# Altium PCB PCB.PcbDoc (part 3 of 4) (continued)
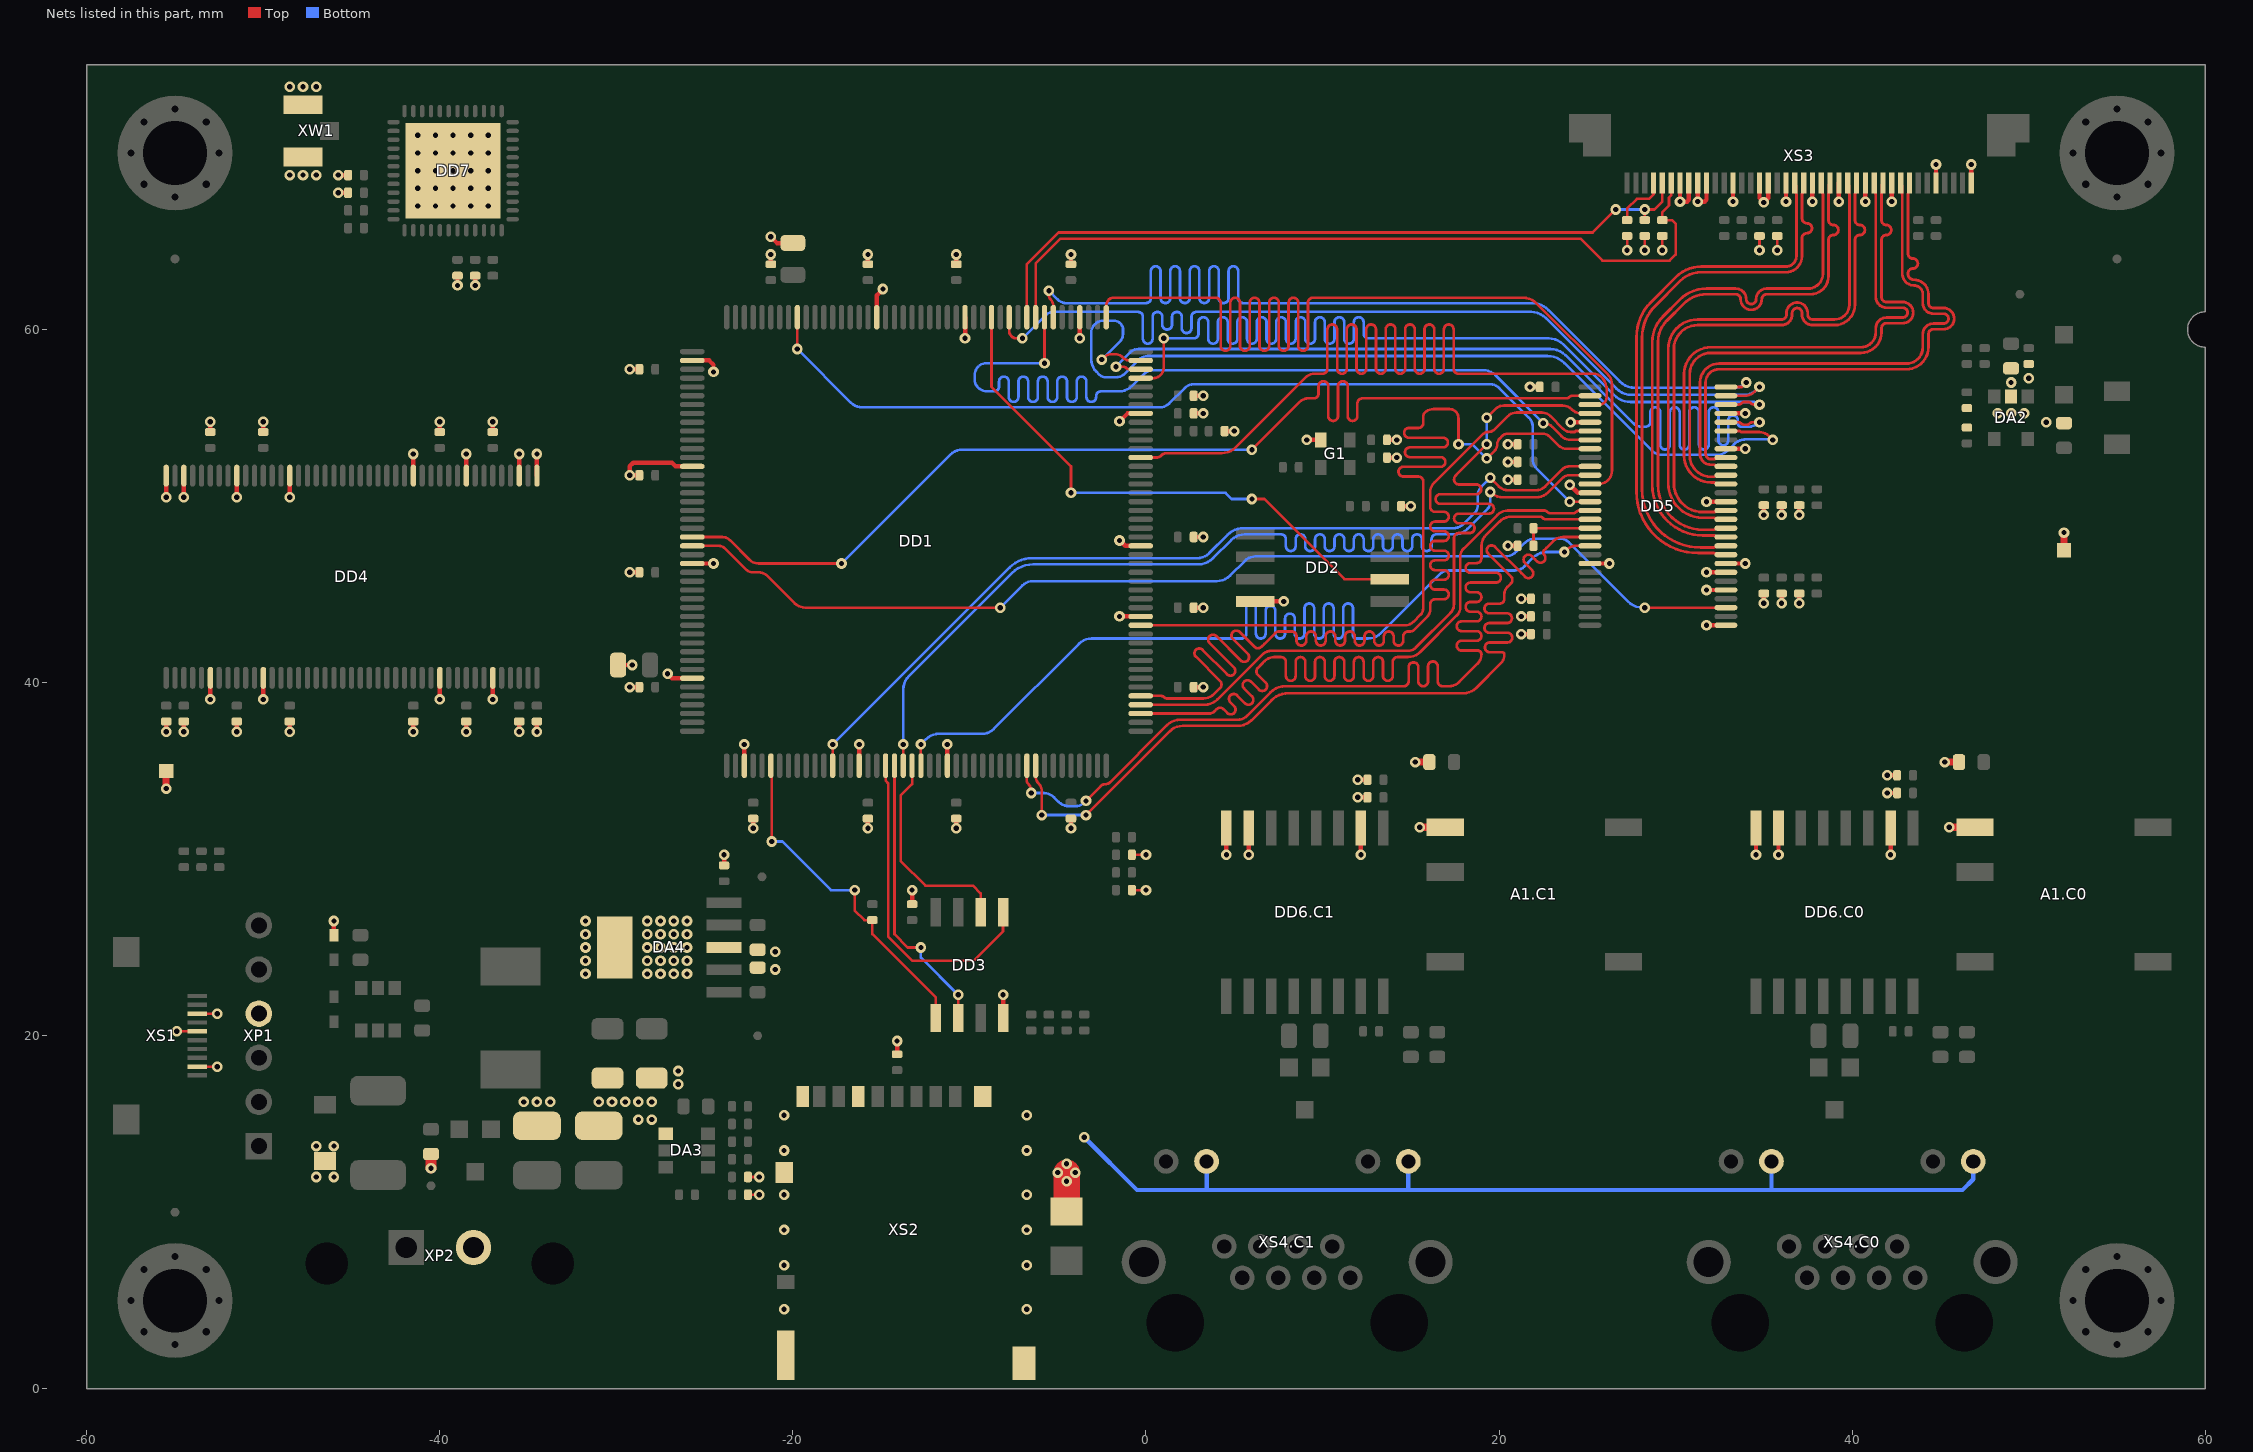
[diagram p5: the nets of this part, all layers, seen from the top]
## Nets (pads, with @x,y where several pads share a name; then routed paths per layer and width w, separated by ;. In a path a pad name is that pad's centre, name@x,y a point inside that pad or via, vN(x,y) a via of type N, cw(c..) or ccw(c..) an arc to the next point about the centre after c; other vN are vias at no path point) (continued)
LCD_DATA2_N: DD5.42 XS3.14 | length 31.9
  Top w0.16: DD5.42@32.85,49.75 32.376,49.75 ccw(c32.376,49.596) 32.267,49.705 cw(c32.158,49.814) 32.158,49.66 31.54,49.66 cw(c31.54,51.3) 29.9,51.3 29.9,58.9 cw(c31.25,58.9) 31.25,60.25 36,60.25 ccw(c36,60.85) 36.6,60.85 36.6,60.935 cw(c36.88,60.935) 37.16,60.935 37.16,60.85 ccw(c37.76,60.85) 37.76,60.25 39,60.25 ccw(c39,61.41) 40.16,61.41 40.16,64.7 40.16,65.08 cw(c40.44,65.08) 40.44,65.36 ccw(c40.44,65.64) 40.72,65.64 ccw(c40.44,65.64) 40.44,65.92 cw(c40.44,66.2) 40.16,66.2 40.16,67.672 cw(c40.194,67.672) 40.17,67.696 ccw(c40.146,67.72) 40.18,67.72 40.18,68.131 cw(c40.419,68.131) XS3.14@40.25,68.3
LCD_DATA2_P: DD5.41 XS3.15 | length 31.8
  Top w0.16: DD5.41@32.85,49.25 32.376,49.25 cw(c32.376,49.404) 32.267,49.295 ccw(c32.158,49.186) 32.158,49.34 31.54,49.34 cw(c31.54,51.3) 29.58,51.3 29.58,58.9 cw(c31.25,58.9) 31.25,60.57 36,60.57 ccw(c36,60.85) 36.28,60.85 36.28,60.935 cw(c36.88,60.935) 37.48,60.935 37.48,60.85 ccw(c37.76,60.85) 37.76,60.57 39,60.57 ccw(c39,61.41) 39.84,61.41 39.84,67.672 ccw(c39.806,67.672) 39.83,67.696 cw(c39.854,67.72) 39.82,67.72 39.82,68.131 ccw(c39.581,68.131) XS3.15@39.75,68.3
LCD_DATA3: DD1.56 DD5.55 | length 54.7
  Top w0.15: DD1.56@-7.75,60.7 -7.75,59.927 ccw(c-7.323,59.927) -7.625,59.625 ccw(c-7.323,59.927) -7.323,59.5 v1(-7,59.5) ; DD5.55@32.85,56.25 33.896,56.25 ccw(c33.896,57.104) 34.5,56.5 v1(34.75,56.75)
  Bottom w0.15: v1(-7,59.5) -5.7,60.8 cw(c-5.217,60.317) -5.217,61 -1,61 -0.725,61 -0.45,61 cw(c-0.45,60.725) -0.175,60.725 -0.175,59.477 ccw(c0.1,59.477) 0.1,59.202 ccw(c0.1,59.477) 0.375,59.477 0.375,60.725 cw(c0.65,60.725) 0.65,61 cw(c0.65,60.725) 0.925,60.725 0.925,60.277 ccw(c1.2,60.277) 1.2,60.002 ccw(c1.2,60.277) 1.475,60.277 1.475,60.725 cw(c1.75,60.725) 1.75,61 cw(c1.75,60.725) 2.025,60.725 2.025,60.077 ccw(c2.3,60.077) 2.3,59.802 ccw(c2.3,60.077) 2.575,60.077 2.575,60.725 cw(c2.85,60.725) 2.85,61 3.058,61 3.442,61 4.158,61 4.542,61 5.258,61 5.642,61 6.358,61 6.742,61 7.458,61 7.842,61 8.558,61 8.942,61 9.658,61 10.042,61 10.758,61 11.142,61 11.858,61 12.242,61 ; 12.242,61 21.805,61 cw(c21.805,59.805) 22.65,60.65 26.646,56.654 ccw(c27.5,57.507) 27.5,56.3 33.9,56.3 ccw(c33.9,57.266) 34.583,56.583 v1(34.75,56.75)
LCD_DATA3_N: DD5.38 XS3.20 | length 31.6
  Top w0.16: DD5.38@32.85,47.75 32.376,47.75 ccw(c32.376,47.596) 32.267,47.705 cw(c32.158,47.814) 32.158,47.66 31.4,47.66 cw(c31.4,50.96) 28.1,50.96 28.1,59.548 cw(c30.64,59.548) 28.844,61.344 30.25,62.75 cw(c31.457,61.543) 31.457,63.25 36.25,63.25 ccw(c36.25,64.16) 37.16,64.16 37.16,64.8 37.16,65.18 cw(c37.44,65.18) 37.44,65.46 ccw(c37.44,65.74) 37.72,65.74 ccw(c37.44,65.74) 37.44,66.02 cw(c37.44,66.3) 37.16,66.3 37.16,67.672 cw(c37.194,67.672) 37.17,67.696 ccw(c37.146,67.72) 37.18,67.72 37.18,68.131 cw(c37.419,68.131) XS3.20@37.25,68.3
LCD_DATA3_P: DD5.37 XS3.21 | length 31.5
  Top w0.16: DD5.37@32.85,47.25 32.376,47.25 cw(c32.376,47.404) 32.267,47.295 ccw(c32.158,47.186) 32.158,47.34 31.267,47.34 cw(c31.267,50.827) 27.78,50.827 27.78,59.551 cw(c30.633,59.551) 28.616,61.568 30.024,62.977 cw(c31.456,61.545) 31.456,63.57 36.25,63.57 ccw(c36.25,64.16) 36.84,64.16 36.84,67.672 ccw(c36.806,67.672) 36.83,67.696 cw(c36.854,67.72) 36.82,67.72 36.82,68.131 ccw(c36.581,68.131) XS3.21@36.75,68.3
LCD_DATA4: DD1.51 DD5.56 | length 63
  Top w0.15: v1(-5.5,62.2) -5.5,61.941 ccw(c-5.159,61.941) -5.4,61.7 cw(c-5.762,61.338) -5.25,61.338 DD1.51@-5.25,60.7 ; DD5.56@32.85,56.75 33.75,56.75 v1(34,57)
  Bottom w0.15: v1(-5.5,62.2) -5,61.7 ccw(c-4.517,62.183) -4.517,61.5 0,61.5 ccw(c0,61.775) 0.275,61.775 0.275,63.308 cw(c0.55,63.308) 0.55,63.583 cw(c0.55,63.308) 0.825,63.308 0.825,61.775 ccw(c1.1,61.775) 1.1,61.5 ccw(c1.1,61.775) 1.375,61.775 1.375,63.308 cw(c1.65,63.308) 1.65,63.583 cw(c1.65,63.308) 1.925,63.308 1.925,61.775 ccw(c2.2,61.775) 2.2,61.5 ccw(c2.2,61.775) 2.475,61.775 2.475,63.308 cw(c2.75,63.308) 2.75,63.583 cw(c2.75,63.308) 3.025,63.308 3.025,61.775 ccw(c3.3,61.775) 3.3,61.5 ccw(c3.3,61.775) 3.575,61.775 3.575,63.308 cw(c3.85,63.308) 3.85,63.583 cw(c3.85,63.308) 4.125,63.308 4.125,61.775 ccw(c4.4,61.775) 4.4,61.5 ccw(c4.4,61.775) 4.675,61.775 4.675,63.308 cw(c4.95,63.308) 4.95,63.583 cw(c4.95,63.308) 5.225,63.308 5.225,61.775 ccw(c5.5,61.775) 5.5,61.5 6.2,61.5 21.834,61.5 cw(c21.834,60.134) 22.799,61.101 ; 22.8,61.1 26.85,57.05 ccw(c27.695,57.895) 27.695,56.7 33.3,56.7 ccw(c33.3,57.666) 33.982,56.982 v1(34,57)
LCD_DATA5: DD1.110 DD5.2 | length 63.1
  Top w0.15: DD1.110@-25.7,48.25 -24,48.25 cw(c-24,47.646) -23.573,48.073 -22.461,46.961 ; -22.461,46.961 ccw(c-21.951,47.471) -21.951,46.75 v1(-17.25,46.75) ; v1(6,53.2) 8.688,55.888 ; 8.688,55.888 cw(c9.2,55.376) 9.2,56.1 9.5,56.1 ccw(c9.5,56.375) 9.775,56.375 9.775,56.8 cw(c10.05,56.8) 10.05,57.075 cw(c10.05,56.8) 10.325,56.8 10.325,56.1 10.325,55.099 ccw(c10.6,55.099) 10.6,54.824 ccw(c10.6,55.099) 10.875,55.099 10.875,56.1 10.875,56.8 cw(c11.15,56.8) 11.15,57.075 cw(c11.15,56.8) 11.425,56.8 11.425,56.1 11.425,55.099 ccw(c11.7,55.099) 11.7,54.824 ccw(c11.7,55.099) 11.975,55.099 11.975,55.825 cw(c12.25,55.825) 12.25,56.1 13,56.1 23.794,56.1 ccw(c23.794,56.356) 23.975,56.175 cw(c24.156,55.994) 24.156,56.25 DD5.2@25.15,56.25
  Bottom w0.15: v1(-17.25,46.75) -11.083,52.917 cw(c-10.4,52.234) -10.4,53.2 v1(6,53.2)
LCD_DATA6: DD1.32 DD5.3 | length 66.1
  Top w0.15: DD1.32@-0.3,52.75 0.573,52.75 ccw(c0.573,53.177) 0.875,52.875 ; 0.875,52.875 cw(c1.177,52.573) 1.177,53 4.3,53 ccw(c4.3,54.086) 5.068,53.318 ; 5.068,53.318 9.025,57.275 cw(c9.568,56.732) 9.568,57.5 10,57.5 ccw(c10,57.775) 10.275,57.775 10.275,60.012 cw(c10.55,60.012) 10.55,60.287 cw(c10.55,60.012) 10.825,60.012 10.825,57.775 ccw(c11.1,57.775) 11.1,57.5 ccw(c11.1,57.775) 11.375,57.775 11.375,60.012 cw(c11.65,60.012) 11.65,60.287 cw(c11.65,60.012) 11.925,60.012 11.925,57.775 ccw(c12.2,57.775) 12.2,57.5 ccw(c12.2,57.775) 12.475,57.775 12.475,60.012 cw(c12.75,60.012) 12.75,60.287 cw(c12.75,60.012) 13.025,60.012 13.025,57.775 ccw(c13.3,57.775) 13.3,57.5 ccw(c13.3,57.775) 13.575,57.775 13.575,60.012 cw(c13.85,60.012) 13.85,60.287 cw(c13.85,60.012) 14.125,60.012 14.125,57.775 ccw(c14.4,57.775) 14.4,57.5 ccw(c14.4,57.775) 14.675,57.775 14.675,60.012 cw(c14.95,60.012) 14.95,60.287 cw(c14.95,60.012) 15.225,60.012 15.225,57.775 ccw(c15.5,57.775) 15.5,57.5 ccw(c15.5,57.775) 15.775,57.775 15.775,60.012 cw(c16.05,60.012) 16.05,60.287 cw(c16.05,60.012) 16.325,60.012 16.325,57.775 ccw(c16.6,57.775) 16.6,57.5 ccw(c16.6,57.775) 16.875,57.775 16.875,60.012 cw(c17.15,60.012) 17.15,60.287 cw(c17.15,60.012) 17.425,60.012 17.425,57.775 ccw(c17.7,57.775) 17.7,57.5 19.25,57.5 25.34,57.5 cw(c25.34,56.85) 25.8,57.31 cw(c25.093,56.603) 26.093,56.603 26.093,56.164 cw(c25.678,56.164) 25.972,55.872 cw(c25.678,56.166) 25.678,55.75 DD5.3@25.15,55.75
LCD_DATA7: DD1.4 DD5.4 | length 48.3
  Top w0.15: DD1.4@-0.3,38.75 3.334,38.75 ccw(c3.334,39.755) 4.044,39.044 ; 4.044,39.044 6.588,41.588 ; 6.588,41.588 cw(c7.1,41.076) 7.1,41.8 14.85,41.8 ccw(c14.85,42.404) 15.277,41.977 17.25,43.95 ccw(c16.767,44.433) 17.45,44.433 17.45,47.5 17.45,47.925 17.45,48.2 cw(c17.725,48.2) 17.725,48.475 18.334,48.475 ccw(c18.334,48.75) 18.609,48.75 ccw(c18.334,48.75) 18.334,49.025 17.725,49.025 cw(c17.725,49.3) 17.45,49.3 cw(c17.725,49.3) 17.725,49.575 19.434,49.575 ccw(c19.434,49.85) 19.709,49.85 ccw(c19.434,49.85) 19.434,50.125 17.45,50.125 16.677,50.125 cw(c16.677,50.4) 16.402,50.4 cw(c16.677,50.4) 16.677,50.675 17.45,50.675 18.712,50.675 ccw(c18.712,50.95) 18.987,50.95 ccw(c18.712,50.95) 18.712,51.225 17.725,51.225 cw(c17.725,51.5) 17.45,51.5 cw(c17.812,51.5) 17.556,51.756 v1(19.3,53.5) ; v1(19.3,55) 19.8,55.5 cw(c20.283,55.017) 20.283,55.7 23.582,55.7 cw(c23.582,54.932) 24.125,55.475 ccw(c24.669,56.02) 24.669,55.25 DD5.4@25.15,55.25
  Bottom w0.15: v1(19.3,53.5) v1(19.3,55)
LCD_DATA8: DD1.5 DD5.6 | length 63.5
  Top w0.15: DD1.5@-0.3,39.25 0.844,39.25 cw(c0.844,38.994) 1.025,39.175 ; 1.025,39.175 ccw(c1.206,39.356) 1.206,39.1 3.25,39.1 ccw(c3.25,39.945) 3.847,39.347 ; 3.599,42.634 cw(c3.793,42.44) 3.988,42.634 5.367,41.256 ccw(c5.561,41.45) 5.756,41.256 ccw(c5.561,41.45) 5.756,41.645 4.922,42.478 cw(c5.116,42.673) 4.922,42.867 cw(c5.116,42.673) 5.311,42.867 6.145,42.033 ccw(c6.339,42.228) 6.533,42.033 6.7,42.2 7.294,42.794 cw(c7.55,42.538) 7.55,42.9 7.7,42.9 7.975,42.9 8.25,42.9 cw(c8.25,42.625) 8.525,42.625 8.525,42.377 ccw(c8.8,42.377) 8.8,42.102 ccw(c8.8,42.377) 9.075,42.377 9.075,42.625 cw(c9.35,42.625) 9.35,42.9 cw(c9.35,42.625) 9.625,42.625 9.625,42.377 ccw(c9.9,42.377) 9.9,42.102 ccw(c9.9,42.377) 10.175,42.377 10.175,42.625 cw(c10.45,42.625) 10.45,42.9 cw(c10.45,42.625) 10.725,42.625 10.725,42.377 ccw(c11,42.377) 11,42.102 ccw(c11,42.377) 11.275,42.377 11.275,42.625 cw(c11.55,42.625) 11.55,42.9 cw(c11.55,42.625) 11.825,42.625 11.825,42.377 ccw(c12.1,42.377) 12.1,42.102 ccw(c12.1,42.377) 12.375,42.377 12.375,42.625 cw(c12.65,42.625) 12.65,42.9 cw(c12.65,42.625) 12.925,42.625 12.925,42.377 ccw(c13.2,42.377) 13.2,42.102 ccw(c13.2,42.377) 13.475,42.377 13.475,42.625 cw(c13.75,42.625) 13.75,42.9 cw(c13.75,42.625) 14.025,42.625 14.025,42.377 ccw(c14.3,42.377) 14.3,42.102 ccw(c14.3,42.377) 14.575,42.377 14.575,42.625 cw(c14.85,42.625) 14.85,42.9 14.975,42.9 ccw(c14.975,43.202) 15.188,42.988 ; 3.599,42.634 ccw(c3.793,42.44) 3.599,42.246 4.978,40.867 cw(c4.783,40.672) 4.978,40.478 cw(c4.783,40.672) 4.589,40.478 3.21,41.857 ccw(c3.016,41.662) 2.821,41.857 ccw(c3.016,41.662) 2.821,41.468 4.2,40.089 cw(c4.006,39.894) 4.2,39.7 3.847,39.347 ; 15.188,42.988 15.906,43.706 ccw(c15.436,44.175) 16.1,44.175 16.1,44.45 cw(c16.375,44.45) 16.375,44.725 16.873,44.725 ccw(c16.873,45) 17.148,45 ccw(c16.873,45) 16.873,45.275 16.375,45.275 cw(c16.375,45.55) 16.1,45.55 cw(c16.375,45.55) 16.375,45.825 16.873,45.825 ccw(c16.873,46.1) 17.148,46.1 ccw(c16.873,46.1) 16.873,46.375 16.375,46.375 cw(c16.375,46.65) 16.1,46.65 cw(c16.375,46.65) 16.375,46.925 16.873,46.925 ccw(c16.873,47.2) 17.148,47.2 ccw(c16.873,47.2) 16.873,47.475 16.375,47.475 cw(c16.375,47.75) 16.1,47.75 cw(c16.375,47.75) 16.375,48.025 16.873,48.025 ccw(c16.873,48.3) 17.148,48.3 ccw(c16.873,48.3) 16.873,48.575 16.375,48.575 cw(c16.375,48.85) 16.1,48.85 cw(c16.375,48.85) 16.375,49.125 16.873,49.125 ccw(c16.873,49.4) 17.148,49.4 ccw(c16.873,49.4) 16.873,49.675 16.375,49.675 cw(c16.375,49.95) 16.1,49.95 16.1,50.225 16.1,50.775 cw(c16.885,50.775) 16.33,51.33 19.059,54.059 cw(c19.4,53.717) 19.4,54.2 ccw(c19.4,54.683) 19.741,54.341 20.488,55.088 ; 20.488,55.088 cw(c21,54.576) 21,55.3 22.417,55.3 cw(c22.417,54.617) 22.9,55.1 23.623,54.377 ccw(c24.05,54.804) 24.05,54.2 24.3,54.2 24.35,54.25 DD5.6@25.15,54.25
LCD_DATA9: DD1.52 DD5.7 | length 56.1
  Top w0.15: v1(-5.75,58.1) DD1.52@-5.75,60.7 ; v1(22.5,54.7) cw(c22.5,53.976) 23.012,54.488 23.538,53.962 ccw(c24.05,54.474) 24.05,53.75 DD5.7@25.15,53.75
  Bottom w0.15: v1(-5.75,58.1) -9.017,58.1 ccw(c-9.017,57.417) -9.5,57.9 ccw(c-9.017,57.417) -9.7,57.417 -9.7,57.159 ccw(c-9.076,57.159) -9.517,56.717 ccw(c-8.993,57.241) -8.993,56.5 -8.6,56.5 ccw(c-8.6,56.775) -8.325,56.775 -8.325,57.059 cw(c-8.05,57.059) -8.05,57.334 cw(c-8.05,57.059) -7.775,57.059 -7.775,56.5 -7.775,56.177 ccw(c-7.5,56.177) -7.5,55.902 ccw(c-7.5,56.177) -7.225,56.177 -7.225,56.5 -7.225,57.059 cw(c-6.95,57.059) -6.95,57.334 cw(c-6.95,57.059) -6.675,57.059 -6.675,56.5 -6.675,56.177 ccw(c-6.4,56.177) -6.4,55.902 ccw(c-6.4,56.177) -6.125,56.177 -6.125,56.5 -6.125,57.059 cw(c-5.85,57.059) -5.85,57.334 cw(c-5.85,57.059) -5.575,57.059 -5.575,56.5 -5.575,56.177 ccw(c-5.3,56.177) -5.3,55.902 ccw(c-5.3,56.177) -5.025,56.177 -5.025,56.5 -5.025,57.059 cw(c-4.75,57.059) -4.75,57.334 cw(c-4.75,57.059) -4.475,57.059 -4.475,56.5 -4.475,56.177 ccw(c-4.2,56.177) -4.2,55.902 ccw(c-4.2,56.177) -3.925,56.177 -3.925,56.5 -3.925,57.059 cw(c-3.65,57.059) -3.65,57.334 cw(c-3.65,57.059) -3.375,57.059 -3.375,56.5 -3.375,56.177 ccw(c-3.1,56.177) -3.1,55.902 ccw(c-3.1,56.177) -2.825,56.177 -2.825,56.225 cw(c-2.55,56.225) -2.55,56.5 -2.5,56.5 -1.518,56.5 ccw(c-1.518,57.51) -0.804,56.796 -0.15,57.45 cw(c0.454,56.846) 0.454,57.7 19.1,57.7 cw(c19.1,56.734) 19.782,57.418 ; 19.783,57.417 v1(22.5,54.7)
LCD_DATA10: DD1.13 DD5.8 | length 51.1
  Top w0.15: DD1.13@-0.3,43.25 14.676,43.25 ccw(c14.676,43.912) 15.144,43.444 ; 15.144,43.444 15.55,43.85 ; 15.55,43.85 ccw(c15.188,44.212) 15.7,44.212 15.7,51.4 ccw(c15.425,51.4) 15.425,51.675 14.575,51.675 cw(c14.575,51.95) 14.3,51.95 cw(c14.575,51.95) 14.575,52.225 15.7,52.225 16.683,52.225 ccw(c16.683,52.5) 16.958,52.5 ccw(c16.683,52.5) 16.683,52.775 15.7,52.775 14.944,52.775 cw(c14.944,53.05) 14.669,53.05 cw(c14.944,53.05) 14.944,53.325 15.7,53.325 16.825,53.325 ccw(c16.825,53.6) 17.1,53.6 ccw(c16.825,53.6) 16.825,53.875 15.7,53.875 14.896,53.875 cw(c14.896,54.15) 14.621,54.15 cw(c14.896,54.15) 14.896,54.425 15.425,54.425 ccw(c15.425,54.7) 15.7,54.7 15.7,55.059 cw(c16.041,55.059) 15.8,55.3 cw(c16.283,54.817) 16.283,55.5 17.188,55.5 cw(c17.188,54.988) 17.55,55.35 ; 17.55,55.35 cw(c17.188,54.988) 17.7,54.988 v1(17.7,53.5) ; v1(19.3,52.7) 19.759,53.159 ccw(c19.417,53.5) 19.9,53.5 cw(c20.383,53.5) 20.041,53.841 20.171,53.971 cw(c20.483,53.659) 20.483,54.1 22.488,54.1 cw(c22.488,53.588) 22.85,53.95 23.35,53.45 ; 23.35,53.45 ccw(c23.833,53.933) 23.833,53.25 DD5.8@25.15,53.25
  Bottom w0.15: v1(17.7,53.5) 18.5,53.5 v1(19.3,52.7)
LCD_DATA11: DD1.145 DD5.10 | length 51.5
  Top w0.15: DD1.145@-17.75,35.3 v1(-17.75,36.5) ; v1(19.5,51.6) 19.988,51.112 ccw(c20.5,51.624) 20.5,50.9 22.117,50.9 ccw(c22.117,51.583) 22.6,51.1 ; 22.6,51.1 23.573,52.073 cw(c24,51.646) 24,52.25 DD5.10@25.15,52.25
  Bottom w0.15: v1(-17.75,36.5) -7.725,46.525 cw(c-6.458,45.258) -6.458,47.05 2.9,47.05 ccw(c2.9,48.016) 3.582,47.332 4.625,48.375 cw(c5.53,47.47) 5.53,48.75 17.4,48.75 ccw(c17.4,49.595) 17.997,48.997 18.6,49.6 ccw(c18.117,50.083) 18.8,50.083 18.8,50.617 cw(c19.483,50.617) 19,51.1 v1(19.5,51.6)
LCD_DATA12: DD1.153 DD5.11 | length 60.2
  Top w0.15: DD1.153@-13.75,35.3 v1(-13.75,36.5) ; v1(19.5,50.8) v1@19.517,50.783 ; v1@19.518,50.782 ccw(c20.2,51.466) 20.2,50.5 22.117,50.5 ccw(c22.117,51.424) 22.771,50.771 23.573,51.573 cw(c24,51.146) 24,51.75 DD5.11@25.15,51.75
  Bottom w0.15: v1(-13.75,36.5) -13.75,39.6 cw(c-12.664,39.6) -13.432,40.368 -7.597,46.203 ; -7.597,46.203 cw(c-6.396,45.001) -6.396,46.7 2.955,46.7 ccw(c2.955,47.895) 3.8,47.05 4.832,48.082 cw(c5.6,47.314) 5.6,48.4 7.1,48.4 7.375,48.4 7.65,48.4 cw(c7.65,48.125) 7.925,48.125 7.925,47.727 ccw(c8.2,47.727) 8.2,47.452 ccw(c8.2,47.727) 8.475,47.727 8.475,48.125 cw(c8.75,48.125) 8.75,48.4 cw(c8.75,48.125) 9.025,48.125 9.025,47.727 ccw(c9.3,47.727) 9.3,47.452 ccw(c9.3,47.727) 9.575,47.727 9.575,48.125 cw(c9.85,48.125) 9.85,48.4 cw(c9.85,48.125) 10.125,48.125 10.125,47.727 ccw(c10.4,47.727) 10.4,47.452 ccw(c10.4,47.727) 10.675,47.727 10.675,48.125 cw(c10.95,48.125) 10.95,48.4 cw(c10.95,48.125) 11.225,48.125 11.225,47.727 ccw(c11.5,47.727) 11.5,47.452 ccw(c11.5,47.727) 11.775,47.727 11.775,48.125 cw(c12.05,48.125) 12.05,48.4 cw(c12.05,48.125) 12.325,48.125 12.325,47.727 ccw(c12.6,47.727) 12.6,47.452 ccw(c12.6,47.727) 12.875,47.727 12.875,48.125 cw(c13.15,48.125) 13.15,48.4 cw(c13.15,48.125) 13.425,48.125 13.425,47.727 ccw(c13.7,47.727) 13.7,47.452 ccw(c13.7,47.727) 13.975,47.727 13.975,48.125 cw(c14.25,48.125) 14.25,48.4 cw(c14.25,48.125) 14.525,48.125 14.525,47.727 ccw(c14.8,47.727) 14.8,47.452 ccw(c14.8,47.727) 15.075,47.727 15.075,48.125 cw(c15.35,48.125) 15.35,48.4 cw(c15.35,48.125) 15.625,48.125 15.625,47.727 ccw(c15.9,47.727) 15.9,47.452 ccw(c15.9,47.727) 16.175,47.727 16.175,48.125 cw(c16.45,48.125) 16.45,48.4 16.725,48.4 17.1,48.4 17.476,48.4 ccw(c17.476,49.424) 18.2,48.7 19.359,49.859 ; 19.359,49.859 ccw(c19.017,50.2) 19.5,50.2 v1(19.5,50.8)
LCD_DATA13: DD1.45 DD5.12 | length 65.9
  Top w0.15: DD1.45@-2.25,60.7 -2.25,61.338 cw(c-1.738,61.338) -2.1,61.7 cw(c-1.864,61.464) -1.864,61.798 3.4,61.798 3.675,61.798 3.95,61.798 cw(c3.95,61.523) 4.225,61.523 4.225,59.073 ccw(c4.5,59.073) 4.5,58.798 ccw(c4.5,59.073) 4.775,59.073 4.775,61.523 cw(c5.05,61.523) 5.05,61.798 cw(c5.05,61.523) 5.325,61.523 5.325,59.073 ccw(c5.6,59.073) 5.6,58.798 ccw(c5.6,59.073) 5.875,59.073 5.875,61.523 cw(c6.15,61.523) 6.15,61.798 cw(c6.15,61.523) 6.425,61.523 6.425,59.073 ccw(c6.7,59.073) 6.7,58.798 ccw(c6.7,59.073) 6.975,59.073 6.975,61.523 cw(c7.25,61.523) 7.25,61.798 cw(c7.25,61.523) 7.525,61.523 7.525,59.073 ccw(c7.8,59.073) 7.8,58.798 ccw(c7.8,59.073) 8.075,59.073 8.075,61.523 cw(c8.35,61.523) 8.35,61.798 cw(c8.35,61.523) 8.625,61.523 8.625,59.073 ccw(c8.9,59.073) 8.9,58.798 ccw(c8.9,59.073) 9.175,59.073 9.175,61.523 cw(c9.45,61.523) 9.45,61.798 10.6,61.798 21.382,61.798 cw(c21.382,60.782) 22.1,61.5 26.186,57.414 cw(c25.681,56.909) 26.395,56.909 26.395,52.01 cw(c25.635,52.01) 26.173,51.473 cw(c25.635,52.01) 25.635,51.25 DD5.12@25.15,51.25
LCD_DATA14: DD1.80 DD5.14 | length 52.6
  Top w0.15: v1(-19.75,58.9) DD1.80@-19.75,60.7 ; v1(24,50.25) DD5.14@25.15,50.25
  Bottom w0.15: v1(-19.75,58.9) -16.697,55.847 ccw(c-16.1,56.445) -16.1,55.6 0.8,55.6 ccw(c0.8,56.324) 1.312,55.812 ; 1.312,55.812 2.2,56.7 cw(c2.683,56.217) 2.683,56.9 19.517,56.9 cw(c19.517,56.217) 20,56.7 21.7,55 cw(c21.217,54.517) 21.9,54.517 21.9,52.7 ccw(c22.745,52.7) 22.147,52.103 v1(24,50.25)
LCD_DATA15: DD1.3 DD5.15 | length 50.5
  Top w0.15: DD1.3@-0.3,38.25 3.573,38.25 ccw(c3.573,38.677) 3.875,38.375 4,38.5 cw(c4.194,38.306) 4.389,38.5 4.606,38.283 ccw(c4.8,38.477) 4.995,38.283 ccw(c4.8,38.477) 4.995,38.672 4.778,38.889 cw(c4.972,39.083) 4.778,39.278 cw(c4.972,39.083) 5.167,39.278 5.614,38.831 ccw(c5.808,39.025) 6.003,38.831 ccw(c5.808,39.025) 6.003,39.219 5.556,39.667 cw(c5.75,39.861) 5.556,40.056 cw(c5.75,39.861) 5.945,40.056 6.392,39.608 ccw(c6.586,39.803) 6.781,39.608 ccw(c6.586,39.803) 6.781,39.997 6.333,40.445 cw(c6.528,40.639) 6.333,40.833 6.528,41.028 6.723,41.223 cw(c7.272,40.673) 7.272,41.45 7.65,41.45 cw(c7.65,41.175) 7.925,41.175 7.925,40.377 ccw(c8.2,40.377) 8.2,40.102 ccw(c8.2,40.377) 8.475,40.377 8.475,41.175 cw(c8.75,41.175) 8.75,41.45 cw(c8.75,41.175) 9.025,41.175 9.025,40.377 ccw(c9.3,40.377) 9.3,40.102 ccw(c9.3,40.377) 9.575,40.377 9.575,41.175 cw(c9.85,41.175) 9.85,41.45 cw(c9.85,41.175) 10.125,41.175 10.125,40.377 ccw(c10.4,40.377) 10.4,40.102 ccw(c10.4,40.377) 10.675,40.377 10.675,41.175 cw(c10.95,41.175) 10.95,41.45 cw(c10.95,41.175) 11.225,41.175 11.225,40.377 ccw(c11.5,40.377) 11.5,40.102 ccw(c11.5,40.377) 11.775,40.377 11.775,41.175 cw(c12.05,41.175) 12.05,41.45 cw(c12.05,41.175) 12.325,41.175 12.325,40.377 ccw(c12.6,40.377) 12.6,40.102 ccw(c12.6,40.377) 12.875,40.377 12.875,41.175 cw(c13.15,41.175) 13.15,41.45 cw(c13.15,41.175) 13.425,41.175 13.425,40.377 ccw(c13.7,40.377) 13.7,40.102 ccw(c13.7,40.377) 13.975,40.377 13.975,41.175 cw(c14.25,41.175) 14.25,41.45 14.525,41.45 14.826,41.45 ccw(c14.826,42.474) 15.55,41.75 17.6,43.8 ccw(c17.117,44.283) 17.8,44.283 17.8,47.117 cw(c18.483,47.117) 18,47.6 19.903,49.503 cw(c20.5,48.905) 20.5,49.75 22.544,49.75 cw(c22.544,49.494) 22.725,49.675 ccw(c22.906,49.856) 22.906,49.6 24.194,49.6 ccw(c24.194,49.856) 24.375,49.675 ; 24.375,49.675 cw(c24.556,49.494) 24.556,49.75 DD5.15@25.15,49.75
LCD_DATA16: DD1.167 DD5.16 | length 59.4
  Top w0.15: DD1.167@-6.75,35.3 -6.75,34.45 ccw(c-6.509,34.45) -6.68,34.28 ; -6.679,34.279 cw(c-7.112,33.846) -6.5,33.846 v1(-6.5,33.75) ; v1(-3.4,33.3) -2.556,34.144 cw(c-2.3,33.888) -2.3,34.25 ccw(c-2.3,34.612) -2.044,34.356 1.2,37.6 ; 1.201,37.601 cw(c1.924,36.876) 1.924,37.9 5.2,37.9 ccw(c5.2,38.624) 5.712,38.112 7.05,39.45 ; 7.05,39.45 cw(c7.895,38.605) 7.895,39.8 14.6,39.8 ccw(c14.6,40.075) 14.875,40.075 14.875,40.873 cw(c15.15,40.873) 15.15,41.148 cw(c15.15,40.873) 15.425,40.873 15.425,40.075 ccw(c15.7,40.075) 15.7,39.8 ccw(c15.7,40.075) 15.975,40.075 15.975,40.925 cw(c16.25,40.925) 16.25,41.2 cw(c16.25,40.925) 16.525,40.925 16.525,40.075 ccw(c16.8,40.075) 16.8,39.8 17.164,39.8 ccw(c17.164,40.611) 17.738,40.037 18.788,41.088 ccw(c18.276,41.6) 19,41.6 ccw(c18.78,41.6) 18.78,41.82 17.875,41.82 cw(c17.875,42.095) 17.6,42.095 cw(c17.875,42.095) 17.875,42.37 18.725,42.37 ccw(c18.725,42.645) 19,42.645 ccw(c18.725,42.645) 18.725,42.92 17.875,42.92 cw(c17.875,43.195) 17.6,43.195 cw(c17.875,43.195) 17.875,43.47 18.725,43.47 ccw(c18.725,43.745) 19,43.745 ccw(c18.725,43.745) 18.725,44.02 18.377,44.02 cw(c18.377,44.295) 18.102,44.295 cw(c18.377,44.295) 18.377,44.57 18.725,44.57 ccw(c18.725,44.845) 19,44.845 ccw(c18.725,44.845) 18.725,45.12 18.377,45.12 cw(c18.377,45.395) 18.102,45.395 cw(c18.377,45.395) 18.377,45.67 19,45.67 19.827,45.67 ccw(c19.827,45.945) 20.102,45.945 ccw(c19.827,45.945) 19.827,46.22 19,46.22 18.377,46.22 cw(c18.377,46.495) 18.102,46.495 cw(c18.377,46.495) 18.377,46.77 18.725,46.77 ccw(c18.725,47.045) 19,47.045 19,47.32 19,47.595 19,47.746 cw(c19.854,47.746) 19.25,48.35 20.017,49.117 cw(c20.7,48.434) 20.7,49.4 22.294,49.4 cw(c22.294,49.144) 22.475,49.325 ; 22.475,49.325 ccw(c22.656,49.506) 22.656,49.25 DD5.16@25.15,49.25
  Bottom w0.15: v1(-6.5,33.75) -5.8,33.75 cw(c-5.8,32.905) -5.203,33.503 ; -5.203,33.503 -4.947,33.247 ccw(c-4.35,33.845) -4.35,33 -4,33 ccw(c-4,33.724) -3.488,33.212 v1(-3.4,33.3)
LCD_DATA17: DD1.168 DD5.18 | length 56.3
  Top w0.15: DD1.168@-6.25,35.3 -6.25,34.697 ccw(c-5.653,34.697) -6.076,34.276 ; -6.075,34.275 cw(c-6.499,33.852) -5.9,33.852 v1(-5.9,32.5) ; v1(-3.4,32.5) 1.35,37.25 ; 1.35,37.25 cw(c2.074,36.526) 2.074,37.55 5.2,37.55 ccw(c5.2,38.636) 5.968,37.868 ; 5.968,37.868 7.1,39 cw(c8.066,38.034) 8.066,39.4 18,39.4 ccw(c18,40.366) 18.683,39.683 20.1,41.1 ccw(c19.617,41.583) 20.3,41.583 ccw(c20.158,41.583) 20.158,41.725 19.47,41.725 cw(c19.47,42) 19.195,42 cw(c19.47,42) 19.47,42.275 20.3,42.275 20.473,42.275 ccw(c20.473,42.55) 20.748,42.55 ccw(c20.473,42.55) 20.473,42.825 20.3,42.825 19.446,42.825 cw(c19.446,43.1) 19.171,43.1 cw(c19.446,43.1) 19.446,43.375 20.3,43.375 20.454,43.375 ccw(c20.454,43.65) 20.729,43.65 ccw(c20.454,43.65) 20.454,43.925 20.3,43.925 19.446,43.925 cw(c19.446,44.2) 19.171,44.2 cw(c19.446,44.2) 19.446,44.475 20.025,44.475 ccw(c20.025,44.75) 20.3,44.75 20.3,45 cw(c20.904,45) 20.477,45.427 20.675,45.625 ccw(c20.481,45.819) 20.675,46.014 19.383,47.306 cw(c19.577,47.5) 19.383,47.695 cw(c19.577,47.5) 19.772,47.695 21.258,46.208 21.467,46 ccw(c21.661,46.194) 21.856,46 ccw(c21.661,46.194) 21.856,46.389 21.647,46.597 21.465,46.78 cw(c21.659,46.974) 21.465,47.168 cw(c21.659,46.974) 21.854,47.168 22.036,46.986 22.154,46.869 ccw(c22.348,47.063) 22.543,46.869 ccw(c22.348,47.063) 22.543,47.258 cw(c22.66,47.375) 22.543,47.493 22.675,47.625 23.075,48.025 cw(c23.618,47.482) 23.618,48.25 DD5.18@25.15,48.25
  Bottom w0.15: v1(-5.9,32.5) v1(-3.4,32.5)
LCD_DATA18: DD1.155 DD5.19 | length 63.1
  Top w0.15: DD1.155@-12.75,35.25 v1(-12.75,36.5) ; v1(23.7,47.4) v1@23.838,47.538 ; v1@23.838,47.538 cw(c24.35,47.026) 24.35,47.75 DD5.19@25.15,47.75
  Bottom w0.15: v1(-12.75,36.5) -12.45,36.8 cw(c-11.726,36.076) -11.726,37.1 -9.288,37.1 ccw(c-9.288,38.036) -8.626,37.374 ; -8.626,37.374 -3.8,42.2 cw(c-3.076,41.476) -3.076,42.5 4.3,42.5 4.575,42.5 5.125,42.5 5.4,42.5 ccw(c5.4,42.775) 5.675,42.775 5.675,44.208 cw(c5.95,44.208) 5.95,44.483 cw(c5.95,44.208) 6.225,44.208 6.225,42.775 ccw(c6.5,42.775) 6.5,42.5 ccw(c6.5,42.775) 6.775,42.775 6.775,44.073 cw(c7.05,44.073) 7.05,44.348 cw(c7.05,44.073) 7.325,44.073 7.325,42.775 ccw(c7.6,42.775) 7.6,42.5 ccw(c7.6,42.775) 7.875,42.775 7.875,43.636 cw(c8.15,43.636) 8.15,43.911 cw(c8.15,43.636) 8.425,43.636 8.425,42.775 ccw(c8.7,42.775) 8.7,42.5 ccw(c8.7,42.775) 8.975,42.775 8.975,44.208 cw(c9.25,44.208) 9.25,44.483 cw(c9.25,44.208) 9.525,44.208 9.525,42.775 ccw(c9.8,42.775) 9.8,42.5 ccw(c9.8,42.775) 10.075,42.775 10.075,44.208 cw(c10.35,44.208) 10.35,44.483 cw(c10.35,44.208) 10.625,44.208 10.625,42.775 ccw(c10.9,42.775) 10.9,42.5 ccw(c10.9,42.775) 11.175,42.775 11.175,44.208 cw(c11.45,44.208) 11.45,44.483 cw(c11.45,44.208) 11.725,44.208 11.725,42.675 ccw(c11.9,42.675) 11.9,42.5 12.576,42.5 ccw(c12.576,43.524) 13.3,42.8 16.65,46.15 cw(c17.133,45.667) 17.133,46.35 20.882,46.35 ccw(c20.882,47.118) 21.425,46.575 21.932,47.082 ; 21.932,47.082 cw(c22.7,46.314) 22.7,47.4 v1(23.7,47.4)